# KiCad board beaglebone-ai.kicad_pcb (continued)
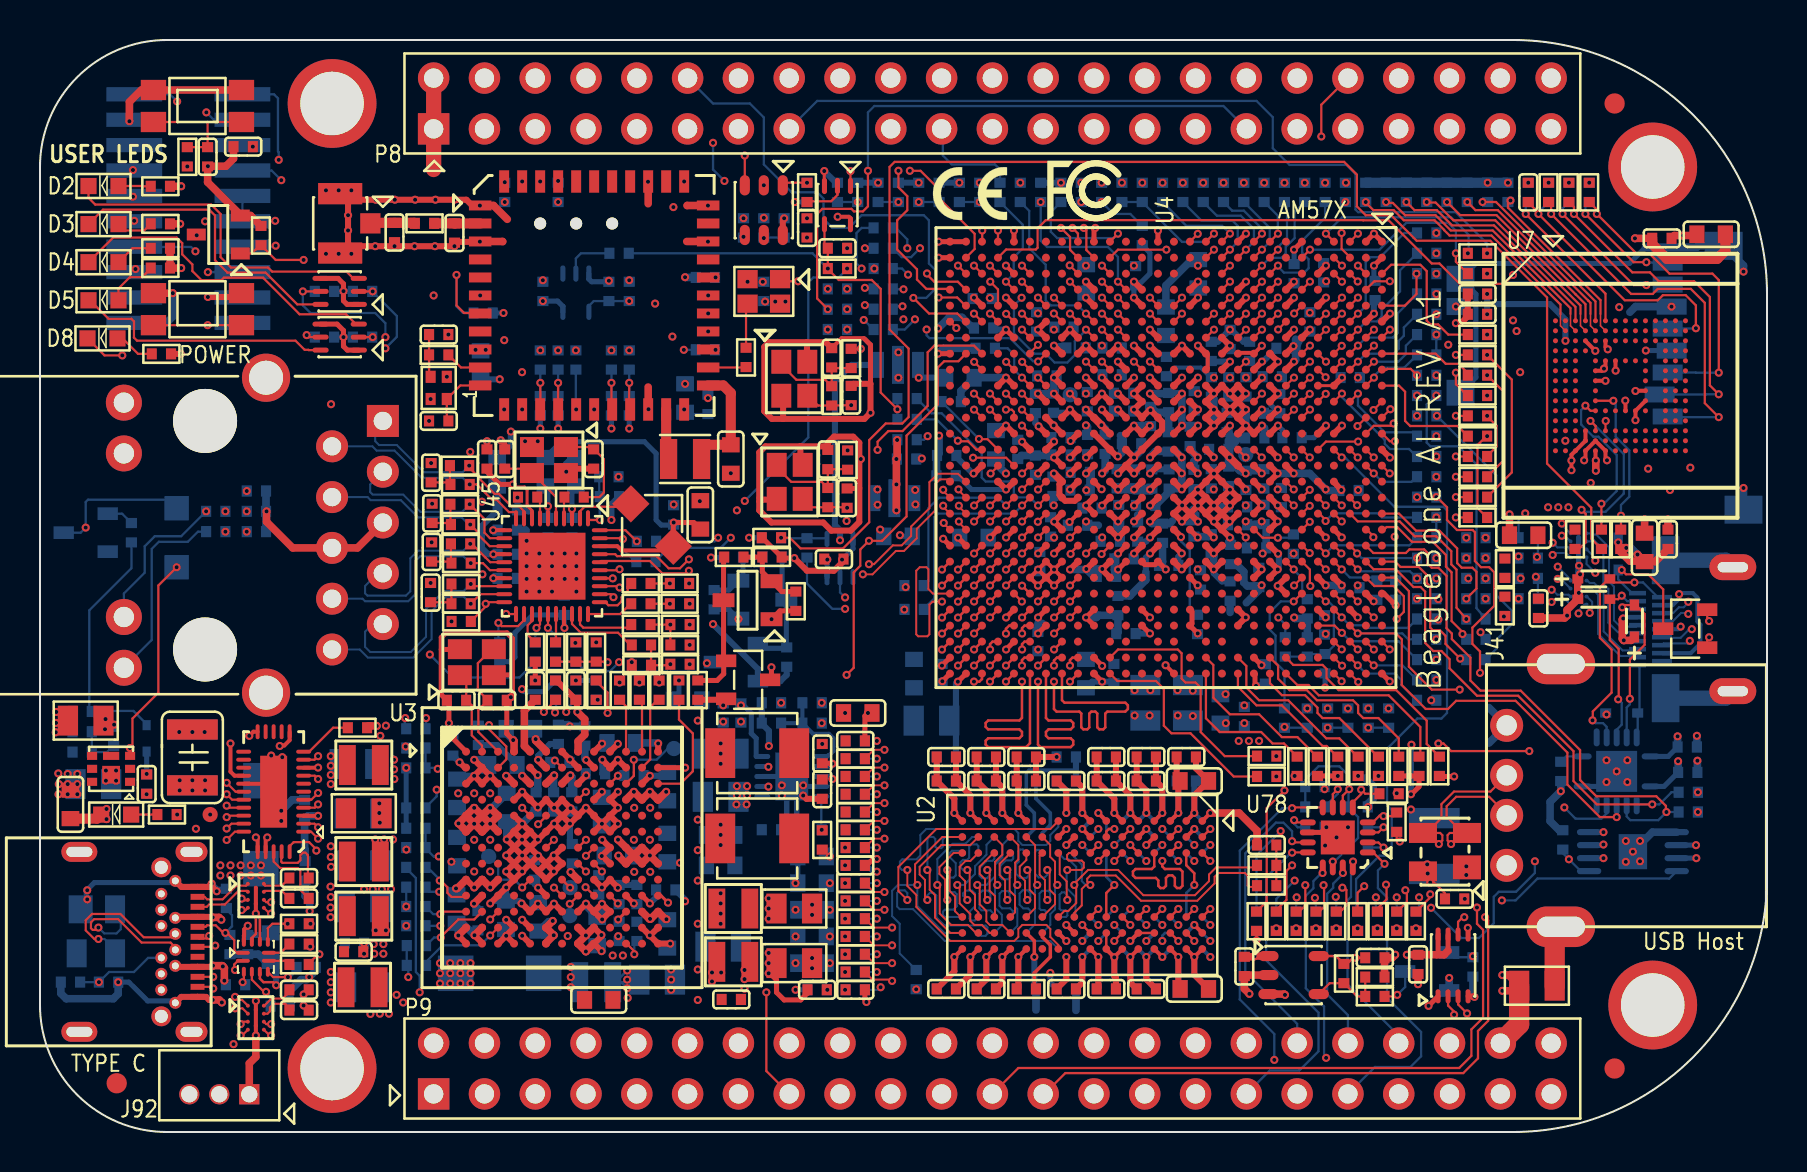
[diagram p0: board, top side]
## Routing (per net, layer and track width the routed paths; a pad name or vN(x,y) marks a point on that pad's centre or on a via; arc(x,y) is an arc through that point) (continued)
  BOTTOM w0.1: U11.M3 49.52,10.96 49.52,11.07 49.41,11.18 49.17,11.18 48.98,11.37 48.98,11.93 49.15,12.09 49.38,12.09 49.52,11.95 49.52,11.76 49.37,11.6 v1(49.37,11.6)
DDR1_CASN: length 54.1
  TOP w0.1: v1(51.37,11.6) 51.37,11.6 51.34,11.63 51.34,12.54 50.99,12.88 50.99,13.88 U2.K3
  TOP w0.127: U4.AC18 v1(49.11,30.53)
  SIG_L5 w0.121: v1(42.04,7.24) 42.04,7.23 42.16,7.11 43.18,7.11 43.85,7.78 44.5,7.78 45.04,7.24 48.01,7.24 49.3,8.53 49.3,9.3 51.37,11.37 v1(51.37,11.6)
  SIG_L10 w0.121: v1(49.11,30.53) 48.83,30.81 48.82,30.81 48.69,30.94 44.99,30.94 44.82,30.77 44.82,29.98 41.71,26.87 41.71,21.29 42.23,20.76 42.23,19.71 42.65,19.29 42.65,11.26 43.52,10.39 50.16,10.39 51.1,11.33 v1(51.37,11.6)
  BOTTOM w0.1: U11.K3 51.31,10.75 51.37,10.82 51.37,11 51.29,11.09 51.06,11.09 50.99,11.16 50.99,11.87 51.1,11.98 51.23,11.98 51.37,11.84 v1(51.37,11.6) ; R140.2 41.94,7.11 42.04,7.21 v1(42.04,7.24)
DDR1_CKE: length 48.4
  TOP w0.1: v1(43.37,13.1) 43.37,12.3 43.82,11.85 43.82,11.25 45.52,9.55 48.72,9.55 48.92,9.75 48.92,10.15 49.12,10.35 50.32,10.35 50.52,10.15 50.52,9.75 50.92,9.35 U2.K9
  TOP w0.127: U4.AG22 v1(45.9,27.32)
  INT_L3 w0.121: v1(45.9,27.32) 45.5,26.92 45.5,24.8 45.22,24.52 44.45,24.52 44.32,24.39 44.32,21.97 44.2,21.84 43.82,21.84 43.69,21.72 43.69,21.53 43.82,21.4 44.2,21.4 44.32,21.27 44.32,21.08 44.2,20.96 43.82,20.96 43.69,20.83 43.69,20.64 43.82,20.51 44.2,20.51 44.32,20.38 44.32,20.19 44.2,20.07 43.82,20.07 43.69,19.94 43.69,19.75 43.82,19.62 44.2,19.62 44.32,19.49 44.32,19.3 44.2,19.18 43.82,19.18 43.69,19.05 43.69,18.8 43.82,18.67 44.2,18.67 44.32,18.54 44.32,18.35 44.2,18.22 43.82,18.22 43.69,18.1 43.69,17.91 43.82,17.78 44.2,17.78 44.32,17.65 44.32,17.46 44.2,17.34 43.82,17.34 43.69,17.21 43.69,17.02 43.82,16.89 44.2,16.89 44.32,16.76 44.32,16.57 44.2,16.45 43.82,16.45 43.69,16.32 43.69,16.13 43.82,16 44.2,16 44.32,15.88 44.32,15.68 44.2,15.56 43.88,15.56 43.75,15.43 43.75,13.84 43.37,13.46 v1(43.37,13.1)
  SIG_L5 w0.121: v1(41.85,14.22) 42.25,14.22 v1(43.37,13.1)
  BOTTOM w0.1: v1(43.37,13.1) 43.1,13.1 43,13.2 43,13.52 43.11,13.63 43.83,13.63 44.02,13.83 44.02,14.85 44.32,15.15 48.72,15.15 48.92,14.95 48.92,14.55 49.12,14.35 50.32,14.35 50.52,14.55 50.52,14.85 50.92,15.25 U11.K9 ; R126.2 v1(41.85,14.22)
DDR1_CLK0: length 50.7
  TOP w0.102: U2.J7 51.72,10.96 52.1,11.33 52.1,12.15 52.3,12.35 v1(52.52,12.35) 52.37,12.51 52.37,12.67 52.53,12.83 53.79,12.83 55.06,11.56 57.87,11.56 58.74,12.43 58.74,12.76 58.93,12.95 60.25,12.95 60.39,12.81 60.39,12.32 60.45,12.26 60.79,12.26 R26.2
  TOP w0.127: U4.AG24 v1(45.9,25.72)
  SIG_L8 w0.094: v1(45.9,25.72) 45.15,25.3 44.96,25.3 44.7,25.04 44.7,22.43 45.03,22.1 47.96,22.1 48.23,21.83 48.23,21.3 47.96,21.03 47.14,21.03 47.02,20.9 47.02,20.66 47.15,20.52 49.28,20.52 49.58,20.22 49.58,19.74 49.3,19.46 47.16,19.46 47.07,19.36 47.07,19.04 47.16,18.95 50.2,18.95 50.47,18.68 50.47,18.2 50.2,17.93 47.22,17.93 47.07,17.78 47.07,17.57 47.16,17.48 50.52,17.48 50.83,17.17 50.83,16.76 50.55,16.48 50,16.48 49.91,16.39 49.91,16.18 50.04,16.05 50.53,16.05 50.85,15.73 50.85,14.33 51.18,14 51.84,14 52.4,13.44 52.4,12.48 v1(52.52,12.35)
  BOTTOM w0.102: v1(52.52,12.35) 52.29,12.35 52.1,12.55 52.1,13.38 51.72,13.75 U11.J7
DDR1_CLK0N: length 50.7
  TOP w0.102: R29.2 60.76,13.23 58.81,13.23 58.46,12.88 58.46,12.55 57.75,11.84 55.17,11.84 53.91,13.11 52.41,13.11 52.09,12.78 51.72,12.42 v1(51.72,12.35) 51.82,12.26 51.82,11.45 51.42,11.05 51.22,11.05 U2.K7
  TOP w0.127: U4.AH24 v1(45.1,25.72)
  SIG_L8 w0.094: v1(51.72,12.35) 51.88,12.35 52.1,12.57 52.1,13.31 51.72,13.69 51.05,13.69 50.55,14.2 50.55,15.6 50.4,15.75 49.91,15.75 49.61,16.05 49.61,16.52 49.88,16.79 50.43,16.79 50.52,16.88 50.52,17.04 50.39,17.17 47.03,17.17 46.76,17.44 46.76,17.91 47.09,18.24 50.07,18.24 50.17,18.33 50.17,18.55 50.07,18.64 47.03,18.64 46.76,18.92 46.76,19.49 47.03,19.76 49.18,19.76 49.28,19.86 49.28,20.09 49.15,20.22 47.02,20.22 46.71,20.53 46.71,21.03 47.02,21.34 47.84,21.34 47.93,21.43 47.93,21.7 47.84,21.79 44.91,21.79 44.4,22.3 44.4,25.17 44.83,25.6 44.98,25.6 v1(45.1,25.72)
  BOTTOM w0.102: v1(51.72,12.35) 51.82,12.45 51.82,13.26 51.42,13.65 51.22,13.65 U11.K7
DDR1_CSN0: length 49.1
  TOP w0.1: R129.2 41.63,7.62 42.55,7.62 v1(42.61,7.56) ; v1(45.1,26.52) 44.72,26.52 44.72,26.52 44.63,26.52 44.48,26.37 44.48,24.89 44.38,24.79 43.92,24.79 43.81,24.89 43.81,28.07 43.99,28.24 44.32,28.24 44.42,28.14 44.42,27.15 44.65,26.92 U4.AH23 ; v1(50.87,12.35) 50.82,12.35 50.76,12.42 50.76,13.52 50.51,13.76 50.51,14.36 U2.L2
  SIG_L5 w0.121: v1(50.87,12.35) 50.87,11.5 48.51,9.14 48.51,8.49 47.64,7.62 45.17,7.62 44.63,8.16 43.72,8.16 43.12,7.56 v1(42.61,7.56)
  SIG_L8 w0.121: v1(45.1,26.52) 44.69,26.52 43.56,25.4 43.56,22.2 44.87,20.89 45.85,20.89 45.97,20.76 45.97,16.79 45.34,16.15 45.34,15.77 45.94,15.18 49.44,15.18 49.72,14.9 49.72,13.59 49.78,13.53 49.78,12.95 50.02,12.71 50.51,12.71 v1(50.87,12.35)
  BOTTOM w0.1: v1(50.87,12.35) 50.75,12.24 50.75,11.13 50.52,10.9 50.52,10.35 U11.L2
DDR1_ODT0: length 48.2
  TOP w0.1: U2.K1 50.52,15.15 44.82,15.15 42.92,13.25 42.92,12.05 v1(43.37,11.6)
  TOP w0.127: U4.AE20 v1(47.51,28.93)
  SIG_L5 w0.121: v1(43.37,11.6) 43.32,11.56 v1(41.85,11.56)
  SIG_L10 w0.121: v1(43.37,11.6) 43.37,12.55 43.88,13.06 43.88,18.98 42.98,19.88 42.98,21.03 42.42,21.59 42.42,26.61 42.55,26.73 43.81,26.73 43.94,26.86 43.94,28.13 44.77,28.96 46.16,28.96 46.29,29.08 46.29,29.7 46.41,29.82 47,29.82 47.12,29.7 47.12,29.06 47.24,28.93 v1(47.51,28.93)
  BOTTOM w0.1: R161.2 v1(41.85,11.56) ; U11.K1 50.52,9.55 45.25,9.55 43.66,11.14 42.99,11.14 42.86,11.27 42.86,11.96 42.99,12.08 43.25,12.08 43.37,11.96 v1(43.37,11.6)
DDR1_RASN: length 50.3
  TOP w0.1: v1(51.37,13.1) 52.08,13.1 52.2,13.22 52.2,13.47 52.09,13.57 51.44,13.57 51.36,13.65 51.36,13.86 51.46,13.95 U2.J3 ; v1(42.23,19.11) 41.69,19.11 R25.2
  TOP w0.127: U4.AF20 v1(46.71,28.93)
  SIG_L5 w0.121: v1(42.23,19.11) 46.38,19.11 49.33,16.16 49.33,14.8 50.92,13.2 51.27,13.2 v1(51.37,13.1)
  SIG_L8 w0.121: v1(46.71,28.93) 47.13,28.51 50.17,28.51 50.29,28.38 50.29,27.06 50.17,26.93 49.76,26.93 49.51,26.68 49.51,26.3 49.35,26.13 44.8,26.13 43.94,25.27 43.94,22.3 44.97,21.27 46.23,21.27 46.36,21.15 46.36,16.36 46.1,16.1 46.1,15.81 46.36,15.56 49.62,15.56 50.1,15.07 50.1,13.72 50.23,13.59 50.67,13.59 51.16,13.1 v1(51.37,13.1)
  BOTTOM w0.1: U11.J3 51.73,10.75 51.78,10.81 51.78,11.76 51.33,12.2 51.33,13.07 v1(51.37,13.1)
DDR1_RST: length 34.2
  TOP w0.1: U2.T2 45.12,14.75 43.76,13.39 43.76,12.46 43.87,12.35 v1(43.87,12.35)
  TOP w0.127: U4.AG21 v1(45.9,28.12)
  SIG_L8 w0.121: v1(45.9,28.12) 45.9,28.13 45.52,28.51 43.83,28.51 42.04,26.72 42.04,21.79 43.81,20.02 43.81,12.41 v1(43.87,12.35)
  BOTTOM w0.1: R139.1 42.99,8.93 42.99,10.41 42.61,10.79 42.61,12.07 42.9,12.35 v1(43.87,12.35) 43.87,11.3 45.22,9.95 U11.T2
DDR1_WEN: length 48
  TOP w0.1: v1(50.37,11.6) 50.37,11.6 50.25,11.72 50.25,12.6 49.99,12.86 49.99,13.82 U2.L3
  TOP w0.127: U4.AH21 v1(45.1,28.12)
  SIG_L5 w0.121: v1(50.37,11.6) 47.74,8.97 47.74,8.61 47.13,8 45.3,8 44.76,8.54 43.6,8.54 43.05,8 v1(41.85,8)
  SIG_L10 w0.121: v1(50.37,11.6) 50.36,11.6 50.36,11.05 50.04,10.73 49.21,10.73 49.09,10.86 49.09,11.24 48.96,11.37 48.77,11.37 48.64,11.24 48.64,10.86 48.51,10.73 45.98,10.73 45.85,10.86 45.85,11.36 45.85,11.36 45.85,11.75 45.34,12.26 45.34,12.51 45.85,13.02 45.85,13.46 45.72,13.59 45.21,13.59 45.09,13.72 45.09,13.91 45.21,14.03 46.48,14.03 46.6,14.16 46.6,14.35 46.48,14.48 45.47,14.48 45.34,14.61 45.34,14.8 45.47,14.92 46.48,14.92 46.6,15.05 46.6,15.24 46.48,15.37 45.47,15.37 45.34,15.49 45.34,18.48 43.69,20.13 43.69,21.34 43.18,21.84 43.18,24.89 44.7,26.42 44.7,27.81 45.02,28.12 v1(45.1,28.12)
  BOTTOM w0.1: v1(50.37,11.6) 50.37,11.6 50.51,11.74 50.51,11.97 50.42,12.06 50.11,12.06 49.98,11.93 49.98,11.17 50.06,11.1 50.24,11.1 50.29,11.04 50.29,10.84 50.21,10.75 U11.L3 ; R143.2 v1(41.85,8)
DDR_VREFSTL: length 21.6
  TOP w0.178: U2.M8 49.72,9.55 v1(49.72,8.75)
  TOP w0.203: U2.H1 v1(52.12,15.95) ; v1(51.49,30.51) U4.Y18
  TOP w0.254: U4.N22 v1(57.89,27.34)
  TOP w0.305: C20.1 52.12,17.24 v1(52.12,15.95) ; C35.1 52.12,7.47 v1(52.12,8.75)
  BOTTOM w0.178: 49.46,18.08 49.32,17.95 49.32,16.36 49.72,15.95 49.72,15.15 U11.M8
  BOTTOM w0.203: U11.H1 v1(52.12,8.75) ; 51.8,18.16 51.73,18.08 49.46,18.08
  BOTTOM w0.305: C144.1 49.72,7.24 v1(49.72,8.75) ; C35.1 52.12,7.47 v1(52.12,8.75) ; v1(52.12,15.95) 52.12,17.24 C20.1 C99.2
  BOTTOM w0.381: C35.1 51.8,6.08 ; C144.1 49.8,6.1
  vias: v1(59.94,19.56) v1(60.45,19.56) v1(60.96,19.56)
E6_EHRPWM2A: length 27.9
  TOP w0.114: U4.E6 v1(64.3,40.93)
  SIG_L8 w0.102: P8.19 42.92,50.16 44.29,48.79 47.37,48.79 48.45,47.71 48.45,47.24 48.83,46.86 53.34,46.86 54.13,46.08 61.68,46.08 62.29,45.47 62.29,43.98 63.12,43.15 63.12,42.34 64.03,41.43 64.03,41.19 v1(64.3,40.93)
E7_LCD_DATA7: length 17.3
  TOP w0.114: U4.E7 v1(64.3,40.13)
  INT_L3 w0.102: P8.40 66.8,51.56 66.8,48.82 67.67,47.96 67.67,45.81 67.89,45.58 67.89,40.74 67.69,40.54 64.72,40.54 v1(64.3,40.13)
E8_VOUT1_D8: length 8.5
  TOP w0.114: U4.E8 v1(64.3,38.52)
  SIG_L5 w0.102: v1(64.3,38.52) 64.26,38.48 64.26,38.28 63.88,37.9 63.88,36.7 64.44,36.14 65.81,36.14 66.45,36.78 68,36.78 68.86,35.92 v1(68.86,35.81)
E9_LCD_DATA4: length 17.2
  TOP w0.114: U4.E9 v1(64.29,37.74)
  INT_L3 w0.102: v1(64.29,37.74) 64.69,38.15 67.46,38.15 69.19,39.88 69.19,45.57 69.72,46.1 69.72,49.4 P8.41
E11_VOUT1_VSYNC: length 10.5
  TOP w0.114: U4.E11 v1(64.29,36.92) ; R666.1 v1(70.8,32.77)
  SIG_L8 w0.102: v1(64.29,36.92) 64.7,36.51 67.82,36.51 68.28,36.06 68.28,35.76 68.86,35.18 69.98,35.18 70.33,34.82 70.33,33.24 v1(70.8,32.77)
E14_GPIO4_18: length 35.6
  TOP w0.114: v1(65.91,34.53) 64.31,34.53 U4.E14 ; v1(69.52,11.89) 69.47,11.84 69.47,11.68 R577.1
  SIG_L8 w0.102: v1(65.91,34.53) 65.91,34.49 66.29,34.11 66.29,29.46 66.52,29.24 67.82,29.24 68.45,29.87 69.95,29.87 70.89,28.93 70.89,28.6 71.15,28.35 72.8,28.35 73.18,27.97 73.18,26.87 73.69,26.37 73.69,25.53 72.38,24.22 72.38,22.09 71.3,21.01 71.3,19.08 70.31,18.08 70.31,15.88 68.58,14.15 68.58,12.8 69.49,11.89 v1(69.52,11.89)
E17_TIMER14: length 47.3
  TOP w0.114: U4.E17 v1(64.29,31.33)
  SIG_L8 w0.102: P8.9 31.31,48.7 32.89,48.7 33.53,48.07 33.53,47.56 34.15,46.94 36.55,46.94 37.36,46.13 45.19,46.13 46.89,44.42 49.83,44.42 50.26,43.99 54.95,43.99 55.72,43.21 55.9,43.21 57.05,43.21 57.34,42.93 58.04,42.93 58.61,42.35 58.61,41.33 58.35,41.07 58.35,39.81 58.67,39.49 58.67,39.12 59.06,38.73 59.06,38.35 59.31,38.1 59.69,38.1 59.94,37.85 59.94,37.46 60.07,37.34 60.45,37.34 60.71,37.08 60.71,36.77 60.96,36.51 61.28,36.51 61.47,36.32 61.47,36 61.73,35.74 62.05,35.74 63.94,33.85 63.94,32.29 63.94,32.28 63.94,31.69 v1(64.29,31.33)
E21_UAR10_RXD: length 24.7
  TOP w0.114: U4.E21 v1(64.29,28.13) ; v1(65.13,12.22) 65.21,12.22 65.33,12.1 65.33,11.33 65.02,11.02 R652.1
  SIG_L10 w0.102: v1(64.29,28.13) 64.71,27.72 64.71,24.19 64.64,24.13 64.64,22.17 64.97,21.84 64.97,20.07 63.12,18.21 63.12,17.27 62.26,16.41 62.26,15.41 62.48,15.18 62.48,14.92 62.13,14.57 62.13,11.3 62.38,11.05 64.06,11.05 64.16,11.15 64.16,11.73 64.64,12.22 v1(65.13,12.22)
Earth: length 576.4
  TOP w0.127: R679.2 v1(62.74,17.81) ; v1(26.31,33.02) 26.31,32.79 X9.4 ; U2.D8 U2.E8 ; v1(57.72,12.35) 57.72,12.94 57.32,13.34 U2.B3 ; U22.5 11,7.67 11.18,7.49 11.66,7.49 v1(11.81,7.34) ; U22.11 10.6,9.71 10.79,9.91 v1(10.79,10.92) 11,10.72 U22.10 ; v1(78.92,29.49) 79.04,29.36 R201.2 ; U2.G9 U2.G8 ; v1(12.12,18.75) 12.04,18.75 11.82,18.53 11.68,18.53 11.68,18.7 v1(11.56,18.83)
  TOP w0.152: v1(39.22,48.06) 39.22,47.32 U6.3
  TOP w0.203: v1(77.22,33.59) 77.28,33.59 77.28,33.59 U7.P4 U7.N5 U7.P6 78.28,33.6 78.3,33.59 v1(78.36,33.59) ; U2.E2 v1(55.32,15.15) ; v1(51.32,14.35) U2.J2 ; U88.B1 U88.B2 v1(10.79,10.92) ; U2.G1 v1(52.92,15.95) ; v1(56.29,23.34) U4.P28 ; v1(79.78,37.06) 79.79,37.07 U7.H10 ; U2.T1 v1(45.72,15.95) ; v1(79.27,36.58) 79.28,36.57 U7.K8 ; U2.G9 53.42,9.06 53.42,9.04 v1(53.72,8.74) 53.72,8.75 U2.F9 ; U2.E1 v1(54.52,15.95) ; U72.33 11.28,17.42 U72.21 ; U2.J8 v1(51.32,10.35) ; v1(10.79,14.73) 10.88,14.73 U72.28 ; U2.A9 v1(57.72,8.75) U2.B9 ; v1(10.79,6.55) U89.B1 U89.B2 v1(10.79,4.83) ; U2.M9 v1(48.92,8.75) ; U2.P1 v1(47.32,15.95) ; U2.T9 v1(45.72,8.75) ; v1(78.79,38.07) 78.78,38.08 U7.E7 ; U2.M1 v1(48.92,15.95) ; v1(77.77,39.07) 77.28,39.56 U7.C4 ; U2.B1 v1(57.72,15.95) ; U7.G5 77.78,37.57 78.28,37.57 v1(78.28,37.57) ; U2.P9 v1(47.32,8.75) ; U2.E8 v1(54.52,9.55) ; U2.D1 v1(56.12,15.95)
  TOP w0.254: 20.07,24.13 20.07,24.73 20.3,24.96 23.35,24.96 23.62,24.69 23.62,22.86 ; 20.07,24.13 20.07,21.87 C52.1 20.45,21.49 v1(20.45,20.45) 20.45,19.99 v1(20.65,19.79) 20.65,19.68 U3.A1 ; 20.07,24.13 20.98,24.13 X6.4 ; v1(45.12,22.54) U4.AH28 ; U4.AA20 v1(50.71,28.93) ; R677.2 R676.2 68.96,17.27 68.58,16.89 v1(68.55,16.89) ; U4.E19 v1(64.29,29.73) ; v1(44.94,43.72) 44.94,43.73 U4.AH2 ; U3.E7 v1(25.71,16.21) ; U4.N24 57.6,26.02 57.6,25.43 U4.N25 v1(57.89,24.93) ; U4.N15 v1(57.89,32.93) ; U4.W24 v1(52.31,25.73) 52.7,25.33 U4.W25 ; T2.4 14.91,42.69 15.18,42.42 v1(15.18,42.05) 15.18,41.57 15.36,41.39 T2.1 ; U4.V17 v1(53.11,31.33) ; U4.AD19 v1(48.31,29.73) ; 23.62,22.86 22.71,22.86 X6.2 ; 23.62,22.86 23.62,21.82 v1(23.55,21.74) 23.39,21.59 C51.1 23.34,19.92 v1(23.66,19.6) ; v1(23.04,34.59) 23.24,34.39 C337.2 ; v1(71.73,6.76) 71.6,6.76 71.57,6.79 U46.4 ; U4.AA14 v1(50.71,33.73) ; v1(56.29,28.13) U4.R21 55.75,28.37 55.26,28.37 U4.T21 ; U4.K1 v1(60.3,44.93) ; U4.AE19 v1(47.51,29.73) ; R467.2 v1(24.77,22.58) ; v1(62.71,44.12) 63.1,44.52 U4.F1 ; U4.W15 v1(52.31,32.93) ; U4.J15 v1(61.09,32.93) ; U4.W28 52.71,22.92 v1(53.11,22.52) ; U4.AB20 v1(49.91,28.93) ; v1(66.71,43.33) 67.1,43.72 U4.A2 ; U4.N19 v1(57.89,29.73) ; U4.AD24 v1(48.31,25.73) ; U4.U17 v1(53.91,31.33) ; U4.M19 v1(58.69,29.73) ; U4.N14 v1(57.89,33.73) ; U4.R1 v1(55.9,45.07) ; v1(64.33,15.24) 64.07,14.98 U78.10 ; U4.AG1 U4.AH1 44.94,44.53 v1(44.94,44.52) ; U4.D19 v1(65.09,29.73) ; U4.K15 v1(60.29,32.93) ; v1(67.79,26.34) 67.21,26.92 U4.A23 ; U4.U20 v1(53.91,28.93) ; U4.A1 v1(66.7,44.93) U4.B1 ; T1.1 15.37,39.1 15.18,39.29 v1(15.18,39.75) 15.18,40.08 14.86,40.4 T1.4 ; U4.A28 v1(67.49,22.53) ; U4.T17 v1(54.71,31.33) ; U4.U21 v1(53.91,28.13) ; C42.1 41.25,6.63 41.33,6.55 v1(41.33,6.5) ; U4.T15 v1(54.71,32.93) ; U4.T18 v1(54.71,30.53) ; U46.1 v1(69.43,6.31) ; U4.V15 v1(53.11,32.93) ; U4.AH8 v1(44.91,38.92) ; U4.T14 v1(54.71,33.73) ; v1(45.16,29.67) U4.AH20 ; U4.AD1 v1(48.7,45.08) ; U4.W1 52.7,45.15 v1(52.77,45.21) ; v1(60.81,22.31) 60.81,22.33 60.76,22.38 60.76,22.87 U4.J28 ; C339.2 v1(22.35,34.54)
  TOP w0.305: J42.B12 7.07,12.26 7.87,12.26 ; v1(25.71,15.42) 25.31,15.02 U3.F6 24.91,14.62 v1(24.9,14.62) ; v1(25.71,15.42) 25.71,15.43 U3.E7 ; v1(25.71,15.42) 26.11,15.03 U3.F7 26.5,15.42 v1(26.5,15.42) ; 24.1,15.41 v1(24.11,15.41) U3.F5 ; 24.1,15.41 U3.F4 ; 24.1,15.41 24.1,15.43 U3.E4 ; U3.H4 23.31,13.81 v1(23.31,13.83) U3.G4 ; U3.H4 v1(24.11,13.83) ; U3.H4 v1(23.31,13.03) 23.31,13.01 U3.J4 ; U3.H4 24.1,13.03 v1(24.11,13.03) ; U4.J12 v1(61.1,36.13) ; v1(31.51,9.42) 31.51,9.42 U3.N13 v1(30.49,9.83) ; v1(17.73,44.3) v1(18.73,44.3) v1(19.75,44.3) v1(20.73,44.3) C488.2 20.73,44.51 22,44.51 v1(22,44.53) ; v1(17.73,44.3) C268.2 ; v1(17.73,44.3) v1(16.76,44.3) 15.41,44.3 v1(15.41,45.08) v1(15.41,45.85) 15.41,46.62 v1(16.79,46.62) v1(17.74,46.62) v1(18.76,46.62) v1(19.77,46.62) v1(20.73,46.62) 21.32,46.62 21.61,46.33 U37.1 ; U4.AD10 v1(48.3,37.73) U4.AE10 ; U4.U15 v1(54.71,33.73) 54.31,34.13 U4.U14 ; U4.U15 54.31,33.33 v1(54.71,32.93) ; U4.U15 v1(53.91,32.93) ; C11.2 C25.2 56.12,17.24 v1(56.12,15.95) ; C231.2 57.8,18.18 C89.2 57.72,16.84 v1(57.72,15.95) ; v1(48.92,8.75) 48.92,7.24 R22.1 ; U3.H10 28.12,13.8 v1(28.09,13.8) 28.51,14.22 U3.G10 v1(28.11,14.61) ; v1(26.5,15.42) 26.5,15.42 U3.E7 ; v1(26.5,15.42) 26.51,15.42 U3.E8 ; U4.AA11 v1(50.7,36.93) ; v1(25.7,13.03) 25.7,13.01 U3.J6 25.31,12.64 24.91,13.03 ; v1(25.7,13.03) 25.71,13.03 U3.H7 25.69,13.83 25.72,13.83 U3.G7 ; v1(25.7,13.03) U3.H6 ; v1(48.92,15.95) 48.92,17.47 C23.2 C213.2 ; 7.87,12.26 8.42,12.26 v1(8.59,12.42) 8.59,12.37 8.47,12.26 8.62,12.26 v1(8.84,12.04) ; 7.87,12.26 J42.A1 ; S3.1 10.07,41.76 v1(8.39,41.76) ; U4.AB14 v1(50.71,34.53) ; U3.C12 v1(30.5,17.81) ; U3.G4 23.72,14.22 v1(24.11,13.83) ; U3.G4 23.71,14.27 v1(23.34,14.63) 23.34,14.66 U3.F4 ; U3.G4 v1(24.1,14.62) ; U3.A13 30.91,19.03 v1(30.91,19.43) ; U3.H5 24.51,13.43 v1(24.11,13.83) ; U3.H5 24.51,13.42 v1(24.91,13.82) ; U3.H5 24.9,13.03 24.91,13.03 ; U3.H5 v1(24.11,13.03) ; C6.2 38.33,16.66 v1(38.16,16.83) ; 7.87,6.76 J42.A12 ; 7.87,6.76 7.06,6.76 J42.B1 ; 7.87,6.76 8.31,6.76 8.46,6.6 v1(8.64,6.6) ; C35.2 51.32,7.64 v1(51.32,8.75) ; U4.R15 v1(55.51,32.93) ; U3.E8 v1(27.3,16.21) 27.31,16.21 U3.E9 27.71,15.81 v1(28.1,15.41) ; U3.E8 v1(26.53,16.19) ; v1(26.53,16.19) 26.16,15.82 U3.E7 ; v1(26.53,16.19) 26.53,16.19 U3.D7 25.71,16.23 v1(25.71,16.21) U3.D6 24.91,16.23 v1(24.89,16.23) 24.89,16.23 U3.D5 v1(24.11,17.01) 23.72,16.62 U3.D4 ; U3.F4 v1(24.1,14.62) ; v1(57.72,8.75) 57.72,7.87 C39.2 ; U3.B2 22.11,18.21 v1(21.71,17.81) ; U3.B2 v1(21.71,18.61) ; U3.B2 v1(22.51,17.81) ; v1(24.11,13.03) U3.J4 ; U3.J4 v1(23.31,12.23) U3.K3 v1(22.51,11.43) ; U3.G5 v1(24.11,13.83) ; U3.G5 v1(24.91,13.82) ; U3.G5 v1(24.1,14.62) ; U3.G5 24.9,14.62 v1(24.9,14.62) ; v1(25.69,13.83) 25.69,13.81 U3.H6 ; U4.D13 v1(65.1,35.33) ; U4.AA15 51.1,33.33 v1(50.71,33.73) ; C18.2 C22.2 45.72,16.67 v1(45.72,15.95) ; U3.E10 28.9,15.43 v1(28.9,15.41) U3.F10 28.49,15.02 v1(28.1,15.41) ; U3.E10 v1(28.9,16.21) 28.9,16.23 U3.D10 v1(28.9,17.01) ; U3.E10 v1(28.1,15.41) ; U4.G7 v1(62.7,40.13) ; U4.L13 v1(59.5,35.33) ; v1(70.8,40.45) 71.06,40.45 71.4,40.79 C281.2 C283.2 ; v1(24.91,13.82) U3.H6 ; U3.H6 24.91,13.03 ; v1(22.51,17.81) 22.5,17.81 U3.C2 v1(21.71,17.81) ; v1(22.51,17.81) U3.C3 ; v1(24.9,14.62) 24.9,14.63 U3.F5 ; U3.M12 v1(30.49,9.83) ; v1(30.49,9.83) 30.51,9.85 30.54,9.85 U3.M13 ; v1(21.71,17.81) 21.32,17.42 U3.C1 ; U4.G9 v1(62.7,38.53) ; C9.2 45.72,8.04 v1(45.72,8.75) ; v1(20.92,9.83) 21.31,9.44 U3.N1 ; U4.AB11 v1(49.9,36.93) ; U3.F5 v1(24.1,14.62) ; U4.AA8 v1(50.7,39.33) ; X9.4 26.3,33.17 C334.2 ; C230.2 47.32,7.64 v1(47.32,8.75) ; U4.AE13 v1(48.3,35.33) U4.AD13 ; C40.2 53.8,7.71 53.72,7.8 v1(53.72,8.74) ; v1(28.9,12.21) 28.9,12.23 U3.J10 28.11,12.23 v1(28.1,12.23) U3.J9 ; U3.L9 28.1,10.63 v1(28.11,10.63) 28.11,10.63 U3.L10 28.49,11.02 v1(28.1,11.41) 28.09,11.41 U3.L9 ; U3.L9 27.7,11.02 v1(27.3,11.42) 27.3,11.42 U3.L8 ; v1(54.52,15.95) 54.52,16.84 C24.2 C10.2 ; U3.B8 v1(26.5,18.63) 26.11,19.02 U3.A7 ; U4.AA10 v1(50.7,37.73) U4.AA9 ; U4.K25 59.9,25.34 v1(60.29,25.73) U4.K24 ; U4.H12 v1(61.9,36.13) ; v1(28.1,15.41) U3.F9 ; v1(55.32,8.75) 55.32,7.64 C36.2 ; v1(47.32,15.95) 47.32,17.07 C19.2 C17.2 ; U4.A6 v1(67.5,40.93) ; v1(28.12,18.62) 28.12,18.61 U3.B10 v1(28.9,18.61) 29.29,18.22 U3.B11 ; v1(21.72,9.84) 22.11,9.46 U3.N2 ; U4.K4 v1(60.3,42.53) ; U4.T10 v1(54.7,36.93) U4.T11 54.7,36.13 v1(54.7,36.13) U4.T12 55.48,36.1 v1(55.53,36.1) U4.R12 56.11,35.52 56.11,35.13 U4.R13 U4.T14 ; C20.2 51.32,17.07 v1(51.32,15.95) ; v1(62.68,39.3) U4.G8 ; U4.E13 v1(64.3,35.33) ; U4.F7 v1(63.5,40.13) ; U3.L7 25.71,11.42 v1(25.7,11.42) 25.7,11.42 U3.L6 24.91,11.42 v1(24.9,11.42) 24.9,11.42 U3.L5 24.1,11.43 v1(24.08,11.43) ; U4.K5 v1(60.3,41.73) ; U4.A14 v1(67.5,33.72)
  TOP w0.381: 80.21,28.55 79.5,28.55 79.04,29.01 R201.2 79.27,29.16 v1(79.32,29.21) ; 80.21,28.55 v1(79.88,28.88) ; 80.21,28.55 C278.2 80.77,28.52 C286.2 ; v1(79.17,25.68) 79.12,25.63 79.12,24.66 v1(79.2,24.59) 79.57,24.59 D25.1 ; v1(73.13,7.85) 73.43,7.85 R699.2 73.71,7.06 v1(73.13,7.06) ; S1.1 S1.3 5.07,52.11 4.47,51.51 v1(4.47,50.55) ; U3.M2 v1(21.72,9.84) ; C491.2 9.68,48.68 9.3,48.3 v1(8.39,48.3) C321.2 8.38,47.5 10.02,45.86 Q18.2 10.53,45.83 R700.2 ; C353.1 v1(68.91,7.39) ; 23.14,44.53 23.13,44.53 U37.3 ; v1(67.77,8.86) 67.61,8.71 C490.2 R657.1 ; U37.20 30.41,37.25 ; v1(9.09,6.48) 8.97,6.6 v1(8.64,6.6) ; v1(23.66,19.6) 23.71,19.56 U3.A4 ; U37.33 32.36,46.33 32.36,46.33 ; J92.1 10.47,3.43 10.79,3.76 v1(10.79,4.83) ; U3.M1 20.92,9.83 v1(20.92,9.83) ; 30.41,46.42 U37.36 ; v1(42.82,31.09) v1(42.82,32.38) v1(42.82,33.66) 42.86,33.69 v1(42.86,34.61) ; S3.3 v1(6.64,41.95) ; U37.1 22.68,46.33 23.37,45.64 ; v1(16.84,20.31) 16.45,20.31 R537.2 ; C282.2 v1(73.48,30.89) ; C285.2 76.24,25.7 v1(76.36,25.82) 76.36,26.11 D21.1 76.9,26.91 v1(76.95,26.96) 76.9,27.01 D22.1 ; v1(60.48,6.91) 60.22,7.16 C489.1 60.27,7.85 U40.2 ; U4.L14 v1(59.49,33.73) U4.K15 ; 77,27.9 v1(77.01,27.89) ; 32.34,44.53 U37.31 ; C325.2 v1(79.76,44.69)
  TOP w0.508: C325.2 80.62,44.4 81.36,43.66 83.87,43.66 84.28,44.07 C300.2 ; C456.2 2.86,15.67 D1.2
  TOP w0.762: P8.2 P8.1 19.69,48.13
  TOP w1.016: P9.44 73.96,5.38 R699.2
  GND_L2 w0.381: J42.B1 8.24,6.46 ; 5.21,48.87 4.47,49.61 v1(4.47,50.55) ; 4.09,16.92 4.09,16.9 ; J42.B12 8.22,12.56
  GND_L2 w0.508: v1(3.33,16.15) 3.34,16.15 4.09,16.9 ; 4.37,16.23 3.78,15.65 v1(3.33,15.65)
  INT_L3 w0.381: 18.83,49.31 P8.1 20.54,49.31
  GND_L4 w0.381: 74.71,3.59 P9.46 ; P9.46 76.42,5.3 ; P9.46 74.71,5.3 ; 59.47,5.3 P9.34 ; P9.34 59.47,3.59 ; P9.34 61.18,3.59 ; P9.34 61.18,5.3 ; J42.B12 8.24,12.56 ; 72.17,5.3 P9.44 ; P9.44 73.88,5.3 ; P9.44 73.88,3.59 ; P9.44 72.17,3.59 ; J42.B1 8.26,6.46
  GND_L4 w0.762: P9.43 P9.44 ; P9.45 P9.46
  GND_L4 w1.016: P9.1 P9.2
  SIG_L5 w0.381: 18.83,49.31 P8.1 20.54,49.31 ; 72.17,5.3 P9.44 ; P9.44 73.88,3.59 ; P9.44 73.88,5.3 ; P9.44 72.17,3.59 ; P9.46 76.42,5.3 ; P9.46 74.71,5.3 ; P9.46 74.71,3.59
  SIG_L8 w0.381: 72.17,3.59 P9.44 ; P9.44 72.17,5.3 ; P9.44 73.88,3.59 ; P9.44 73.88,5.3 ; 74.71,5.3 P9.46 ; P9.46 76.42,5.3 ; P9.46 74.71,3.59 ; 20.54,49.31 P8.1 18.83,49.31 ; 18.83,5.3 P9.2 20.54,3.59
  GND_L9 w0.381: J42.B1 8.19,6.46 ; J42.B12 8.27,12.56
  SIG_L10 w0.381: 74.71,5.3 P9.46 74.71,3.59 ; P9.44 73.88,5.3 ; P9.44 73.88,3.59 ; P9.44 72.17,5.3 ; P9.44 72.17,3.59 ; 18.83,5.3 P9.2 ; P9.2 20.54,3.59 ; P9.2 20.54,5.3 ; 72.46,21.22 J41.4 ; J41.4 74.23,21.22 ; J41.4 72.46,19.45
  GND_L11 w0.381: 72.46,19.45 J41.4 ; J41.4 72.46,21.22 ; J41.4 74.23,21.22 ; J42.B12 8.22,12.56 ; J42.B1 8.22,6.46
  BOTTOM w0.127: C495.2 v1(28.45,42.57) ; v1(24.89,16.23) 24.97,16.23 C157.2 ; C168.2 v1(60.22,21.34) ; U2.G1 U11.G8 ; R113.1 28.1,11.88 v1(28.1,12.23) ; v1(57.72,12.35) 57.32,11.95 U11.B3
  BOTTOM w0.203: U2.M1 v1(48.92,15.95) ; J91.7 79.24,24.55 v1(79.2,24.59) ; U11.F9 v1(54.52,15.95) ; U11.D8 v1(55.32,15.15) U2.E2 ; U2.P9 v1(47.32,8.75) ; U2.G9 53.72,8.75 v1(53.72,8.74) ; C215.2 58.52,37.74 58.04,38.23 56.79,38.23 56.35,37.8 C210.2 ; v1(79.17,25.68) 79.24,25.75 J91.13 ; U2.T1 v1(45.72,15.95) ; U11.E1 v1(55.32,8.75) U11.D1 ; U92.B2 76.94,26.92 76.95,26.94 v1(76.95,26.96) ; U2.B9 v1(57.72,8.75) ; U2.J2 v1(51.32,14.35) ; U2.M9 v1(48.92,8.75) ; U11.A9 v1(57.72,15.95) U2.B1 ; v1(82.04,25.27) 81.92,25.15 J91.10 ; U2.G1 v1(52.92,15.95) ; U2.T9 v1(45.72,8.75) ; J91.4 82.54,23.95 83.03,24.43 83.03,25.37 82.88,25.53 82.88,26.72 82.65,26.95 82.02,26.95 v1(81.97,26.9) 81.97,26.67 81.64,26.35 J91.16 ; U2.P1 v1(47.32,15.95) ; U2.E8 v1(54.52,9.55) ; U2.J8 v1(51.32,10.35)
  BOTTOM w0.254: C259.2 62.71,44.12 v1(62.71,44.12) ; R389.2 v1(15.18,39.75) R387.2 ; R661.2 32.79,42.75 v1(32.26,42.75) ; R390.2 15.18,42.04 ; 15.18,42.04 v1(15.18,42.05) ; 15.18,42.04 R392.2 ; C461.2 31.95,21.59 v1(31.95,22.58) ; D78.1 2.31,11.41 2.31,12.04 v1(2.36,12.09) 2.36,12.12 2.72,12.47 6.68,12.47 J42.B12 ; v1(78.84,18.03) 78.09,17.28 U12.7 ; v1(37.1,17.34) 37.1,17.78 U1.8 ; v1(66.71,43.33) 66.7,43.32 66.7,42.63 C272.2 ; D76.1 v1(5.33,17.91) ; C242.2 63.7,34.72 v1(64.3,35.33) ; 61.54,35.94 C245.2 61.54,36.36 ; U91.B1 U91.B2 76.94,28.35 v1(76.96,28.32) ; C153.1 41.34,13.34 41.66,13.02 v1(41.85,13.02) ; v1(76.95,26.96) 76.94,26.97 U92.B1 76.94,27.74 77.01,27.81 77.01,27.89 v1(77.01,27.89) ; C91.2 C90.2 38.13,13.78 C92.2 C8.2 ; J42.B1 6.67,6.55 5.38,6.55 4.45,7.49 v1(3.91,7.49) ; C495.2 27.58,42.52 27.45,42.66 U90.3 ; C320.1 v1(26.8,22.58) ; U1.4 38.16,17.28 v1(38.16,17.34) ; C69.2 v1(35.46,29.72) ; C267.2 v1(64.26,22.23) ; R103.1 29.84,10.48 v1(30.49,9.83) ; R182.2 v1(67.79,26.34) ; C41.1 v1(37.78,7.11) ; C492.2 51.21,39.33 v1(50.7,39.33) ; v1(68.55,16.89) 68.58,16.92 v1(68.58,19.37) ; R533.2 9.3,12.14 8.86,12.14 v1(8.59,12.42) ; U8.3 39.35,28.46 39.37,28.47 v1(39.37,28.63)
  BOTTOM w0.305: v1(24.08,11.43) 23.96,11.55 C170.2 ; C39.2 57.72,7.87 v1(57.72,8.75) ; v1(54.52,15.95) 54.52,16.84 C24.2 ; C2.2 v1(22.99,37.64) ; v1(56.12,15.95) 56.12,17.24 C25.2 ; C20.2 51.32,17.07 v1(51.32,15.95) ; R690.2 v1(43.94,47.47) ; v1(21.71,17.81) 20.86,17.81 C196.2 ; v1(22.51,11.43) 22.63,11.55 C170.2 ; C277.2 60.17,39.52 59.57,40.13 v1(59.5,40.13) 58.9,39.52 C276.2 ; C193.2 55.6,33.14 C202.2 ; C133.2 28.12,17.92 v1(28.12,18.62) ; v1(55.32,8.75) 55.32,7.64 C36.2 ; C18.2 C22.2 45.72,16.67 v1(45.72,15.95) ; C162.2 53.63,22.52 53.15,22.52 ; C9.2 45.72,8.04 v1(45.72,8.75) ; v1(26.31,33.02) 26.31,33.43 26.62,33.73 C344.2 ; C170.2 23.3,12.21 v1(23.31,12.23) ; R22.1 48.92,7.24 v1(48.92,8.75) ; C114.2 31.42,13.46 v1(32,13.46) ; v1(60.29,25.73) 60.29,25.79 ; C180.2 52.61,22.52 v1(53.11,22.52) ; C145.2 26.5,14.4 v1(26.5,15.42) ; C117.2 32.26,11.62 v1(32.26,11.54) ; v1(47.32,15.95) 47.32,17.07 C19.2 ; C115.2 31.2,17.81 v1(30.5,17.81) ; v1(39.22,48.06) 39.8,47.47 R596.2 ; v1(11.81,7.34) 11.81,8.25 C442.2 ; v1(47.32,8.75) 47.32,7.64 C230.2 ; R107.1 28.96,12.36 C121.2 ; v1(53.72,8.74) 53.72,7.8 53.8,7.71 C40.2 ; v1(57.72,15.95) 57.72,17.47 C100.2 ; C23.2 48.92,17.47 v1(48.92,15.95) ; 23.88,31.12 v1(23.88,31.72)
  BOTTOM w0.381: v1(53.91,28.93) 53.73,28.75 C179.2 53.73,28.12 53.81,28.03 ; C340.2 26.21,27.64 v1(26.24,27.66) ; v1(76.96,28.32) 76.96,27.94 v1(77.01,27.89) ; 25.35,29.34 25.4,29.39 C348.2 ; v1(48.3,35.33) 48.06,35.08 C116.2 ; 53.81,28.03 v1(53.91,28.13) ; 53.81,28.03 C174.2 ; R661.2 32.27,42.74 v1(32.26,42.75) ; C274.2 63,39.65 ; C274.2 62.79,39.65 ; C274.2 62.79,38.61 v1(62.7,38.53) ; C208.2 57.6,43.63 56.3,42.33 C198.2 ; C234.2 59.66,34.71 C217.2 59.37,35.19 v1(59.5,35.33) ; C123.2 44.83,33.81 R7.1 44.96,33.93 v1(44.96,34.82) ; v1(56.29,28.13) 56.09,28.34 C201.2 56.13,28.51 C197.2 ; C159.2 52.38,35.26 v1(52.3,35.34) ; v1(3.91,7.49) 3.91,6.91 3.67,6.66 1.31,6.66 1.04,6.93 R534.2 ; C126.2 30.89,19.46 v1(30.91,19.43) ; C211.2 58.45,29.78 C206.2 ; C273.2 61.13,33.07 C279.2 59.99,33.07 59.84,33.22 ; C254.2 61.32,30.3 C236.2 60.73,30.4 ; 23.34,15.51 v1(23.34,14.63) ; 23.34,15.51 C169.2 ; 23.34,15.51 24.02,15.51 v1(24.11,15.41) 24.72,16.02 C157.2 ; v1(12.07,16.07) 12.61,16.61 C440.2 ; J90.6 79.79,41.28 79.5,41 ; v1(21.71,18.61) 22.18,18.61 C172.2 22.51,18.28 v1(22.51,17.81) ; C171.2 55.07,34.09 v1(54.71,33.73) ; D46.1 C441.2 10.92,8.89 11.28,8.53 C442.2 ; v1(44.91,38.92) 45.18,39.19 R112.2 ; 66.27,17.7 66.67,17.31 66.67,16.68 66.4,16.41 C466.2 ; R572.1 v1(65.41,15.24) v1(64.33,15.24) R571.2 ; R100.2 46.05,37.06 C37.2 46.72,37.73 v1(48.3,37.73) ; C149.2 50.65,31.38 v1(50.69,31.34) ; C346.2 24.38,31.12 24.43,31.06 ; 72.46,21.22 J41.4 72.46,19.45 ; C125.2 46.63,40.21 46.1,40.74 45.47,40.74 v1(44.91,40.18) ; R104.1 30.49,17.83 v1(30.5,17.81) ; C112.2 59.82,28.4 60.2,28.02 60.2,27.48 60.38,27.3 60.89,27.3 C235.2 60.95,27.09 60.33,26.47 ; C190.2 55.8,35.99 C200.2 56.44,35.01 C199.2 ; C351.2 24.28,30.1 24.31,30.07 ; 37.66,14.6 C92.2 38.13,15.62 ; v1(13.49,11.05) 13.49,11.57 13.26,11.8 C439.2 ; C136.2 50.66,36.92 C148.2 50.7,36.95 v1(50.7,37.73) ; v1(79.32,29.21) 79.55,29.21 v1(79.88,28.88) ; v1(28.1,11.41) 28.09,11.4 28.09,11.17 27.77,10.85 27.3,11.32 v1(27.3,11.42) ; v1(52.32,32.1) C109.2 52.5,32.11 C108.2 52.37,32.99 v1(52.31,32.93) ; C497.2 v1(82.85,19.81) ; Q17.2 v1(70.47,7.7) ; C119.2 53.9,25.01 C204.2 52.94,25.84 52.83,25.73 v1(52.31,25.73) ; C237.2 61.16,22.31 v1(60.81,22.31) ; R98.2 v1(42.86,34.61) 42.85,34.59 R99.2 ; v1(50.71,33.73) 50.71,33.73 C107.2 50.54,33.83 C138.2 49.07,33.83 R10.1 ; v1(21.72,9.84) 21.13,10.44 C194.2 20.92,10.38 v1(20.92,9.83) ; U48.1 80.63,15 v1(79.65,14.02) ; C216.2 59.84,34.6 ; C216.2 59.43,33.8 v1(59.49,33.73) 59.44,33.68 C223.2 ; C216.2 59.43,34.6 ; 26.62,29.29 26.61,29.3 C345.2 ; P2.20 6.32,40.46 6.64,40.78 v1(6.64,41.95) ; C203.2 57.51,34.11 v1(57.89,33.73) 57.7,33.54 C205.2 ; v1(24.33,27.66) 24.31,27.69 C352.2 ; C152.2 26.41,20.37 v1(26.49,20.29) C134.2 ; C158.2 52.92,30.34 ; v1(23.66,19.6) 23.31,19.95 C164.2 ; C184.2 53.26,33.08 v1(53.11,32.93) ; v1(71.73,6.76) 71.65,6.83 R659.2 ; D23.1 v1(78.92,29.49) ; v1(53.91,32.93) 53.86,32.98 C178.2 ; v1(50.71,34.53) 50.57,34.66 C106.2 ; C233.2 C245.2 ; C498.2 v1(82.88,18.57) ; C347.2 24.3,28.89 v1(24.33,28.93) ; C187.2 54.89,30.86 ; 53.15,22.52 v1(53.11,22.52) ; D24.1 78.33,20.92 v1(78.33,20.88) ; C224.2 59.51,25.98
  vias: v1(2.36,11.63) v1(3.25,20.14) v1(3.28,20.65) v1(3.71,20.37) v1(4.65,48.11) v1(4.65,46.77) v1(4.71,45.57) v1(4.78,43.15) v1(6.96,20) v1(7.62,20) v1(8.23,20) v1(8.26,45.54) v1(9.68,4.39) v1(10.34,32.05) v1(10.34,31.04) v1(12.07,15.56) v1(14.3,47.09) v1(14.3,43.92) v1(14.55,36.4) v1(14.94,47.09) v1(14.94,43.92) v1(15.57,47.09) v1(15.57,43.92) v1(16.21,12.14) v1(16.21,9.45) v1(16.21,8.92) v1(16.64,12.14) v1(16.69,9.4) v1(16.71,8.92) v1(17.02,19.81) v1(16.97,16.43) v1(16.97,15.95) v1(16.99,15.47) v1(17.09,12.14) v1(17.17,9.4) v1(17.17,8.92) v1(17.3,20.32) v1(17.55,12.14) v1(17.83,6.86) v1(18.16,6.48) v1(18.32,14.12) v1(18.31,10.31) v1(19.53,36.65) v1(19.46,35.56) v1(19.53,27.46) v1(19.56,33.45) v1(19.61,31.42) v1(19.58,29.49) v1(19.69,41.83) v1(20.35,37.77) v1(20.42,39.88) v1(20.57,13.51) v1(21.51,34.01) v1(22,46.33) v1(22.1,31.52) v1(23.22,39.6) v1(24.1,38) v1(24.26,34.54) v1(24.33,29.57) v1(24.33,28.3) v1(24.33,27.03) v1(24.89,34.54) v1(24.97,28.93) v1(24.97,28.3) v1(24.97,27.66) v1(24.97,27.03) v1(25.15,42.6) v1(25.6,28.93) v1(25.6,28.3) v1(25.6,27.66) v1(25.6,27.03) v1(25.91,46.51) v1(26.24,28.93) v1(26.24,28.3) v1(26.82,28.93) v1(26.82,28.3) v1(26.82,27.66) v1(26.82,27.03) v1(27.81,24.49) v1(28.91,9.79) v1(29.59,23.5) v1(29.97,22.48) v1(30.4,47.52) v1(30.43,36.14) v1(30.76,41.43) v1(30.96,22.48) v1(31.62,39.78) v1(31.56,8.13) v1(31.56,7.62) v1(31.56,7.11) v1(31.67,46.25) v1(31.69,31.38) v1(32.26,37.41) v1(32.49,26.42) v1(32.49,25.37) v1(32.89,15.62) v1(32.89,14.1) v1(32.89,12.57) v1(32.89,10.41) v1(32.89,8.13) v1(32.89,6.6) v1(32.99,31.55) v1(33.4,46.33) v1(33.4,44.53) v1(34.54,32.94) v1(34.85,31.09) v1(35.18,45.69) v1(35.38,42.52) v1(36.14,42.52) v1(36.2,47.35) v1(36.2,45.72) v1(37.06,21.46) v1(37.1,16.83) v1(37.78,12.45) v1(37.78,11.11) v1(37.78,9.78) v1(37.78,8.45) v1(38.35,45.69) v1(38.61,11.37) v1(38.61,10.86) v1(38.61,8.7) v1(38.61,8.19) v1(39.09,21.46) v1(39.09,20.45) v1(39.12,19.41) v1(40.26,20.96) v1(40.36,44.2) v1(41.85,19.56) v1(42.93,38.99) v1(42.93,37.72) v1(43.22,26.12) v1(43.29,27.25) v1(43.81,7.14) v1(46.99,47.47) v1(47.5,41.71) v1(49.9,40.94) v1(49.91,24.13) v1(50.7,40.13) v1(50.71,29.73) v1(52.07,47.47) v1(52.3,43.33) v1(52.3,36.93) v1(52.31,30.53) v1(53.09,47.47) v1(53.1,39.33) v1(53.11,29.73) v1(53.9,37.73) v1(54.7,43.33) v1(54.74,22.1) v1(55.12,47.47) v1(55.52,22.1) v1(56.89,22.1) v1(57.15,47.47) v1(57.65,22.07) v1(57.9,43.33) v1(57.9,36.93) v1(57.89,28.13) v1(58.17,47.47) v1(58.7,37.73) v1(58.69,32.13) v1(59.18,47.47) v1(59.28,21.89) v1(59.5,37.73) v1(60.2,47.47) v1(60.3,37.73) v1(60.29,31.33) v1(60.29,30.53) v1(61.09,30.53) v1(61.14,28.93) v1(61.09,27.34) v1(61.21,47.47) v1(61.82,18.8) v1(61.93,37.72) v1(61.89,32.13) v1(62.23,47.47) v1(62.69,28.93) v1(63.25,47.47) v1(63.37,21.18) v1(64.31,42.54) v1(64.29,24.91) v1(64.26,14.33) v1(64.83,14.73) v1(65.9,37.73) v1(65.91,32.11) v1(65.89,27.33) v1(65.91,17.81) v1(66.42,16.26) v1(67.74,29.77) v1(68.55,16.13) v1(69.93,26.64) v1(71.25,11.66) v1(71.32,13.28) v1(71.32,12.85) v1(74.02,38) v1(74.42,47.47) v1(76.28,34.57) v1(77.55,32.46) v1(78.33,18.59) v1(78.33,17.5) v1(78.97,41.25) v1(79.3,14.55) v1(79.3,13.51) v1(79.38,18.59) v1(79.38,17.5) v1(80.01,14.55) v1(80.01,13.54) v1(80.42,33.17) v1(81.51,32.11) v1(81.58,41.27) v1(82.52,33.22)
